# Altium PCB 2013_FDP_PCB.PcbDoc (part 1 of 2)
Units mil, origin at the board's own origin, x right, y up, seen from the top; angles counter-clockwise.
Board outline 2770 x 10236.22 mil, 4 copper layers (1-TOP, 2-GND, 3-SIGNAL, 4-BOT); 190 components, 185 nets, 812 pads, 235 vias.
Unrouted connection lines stored in the file: 2.
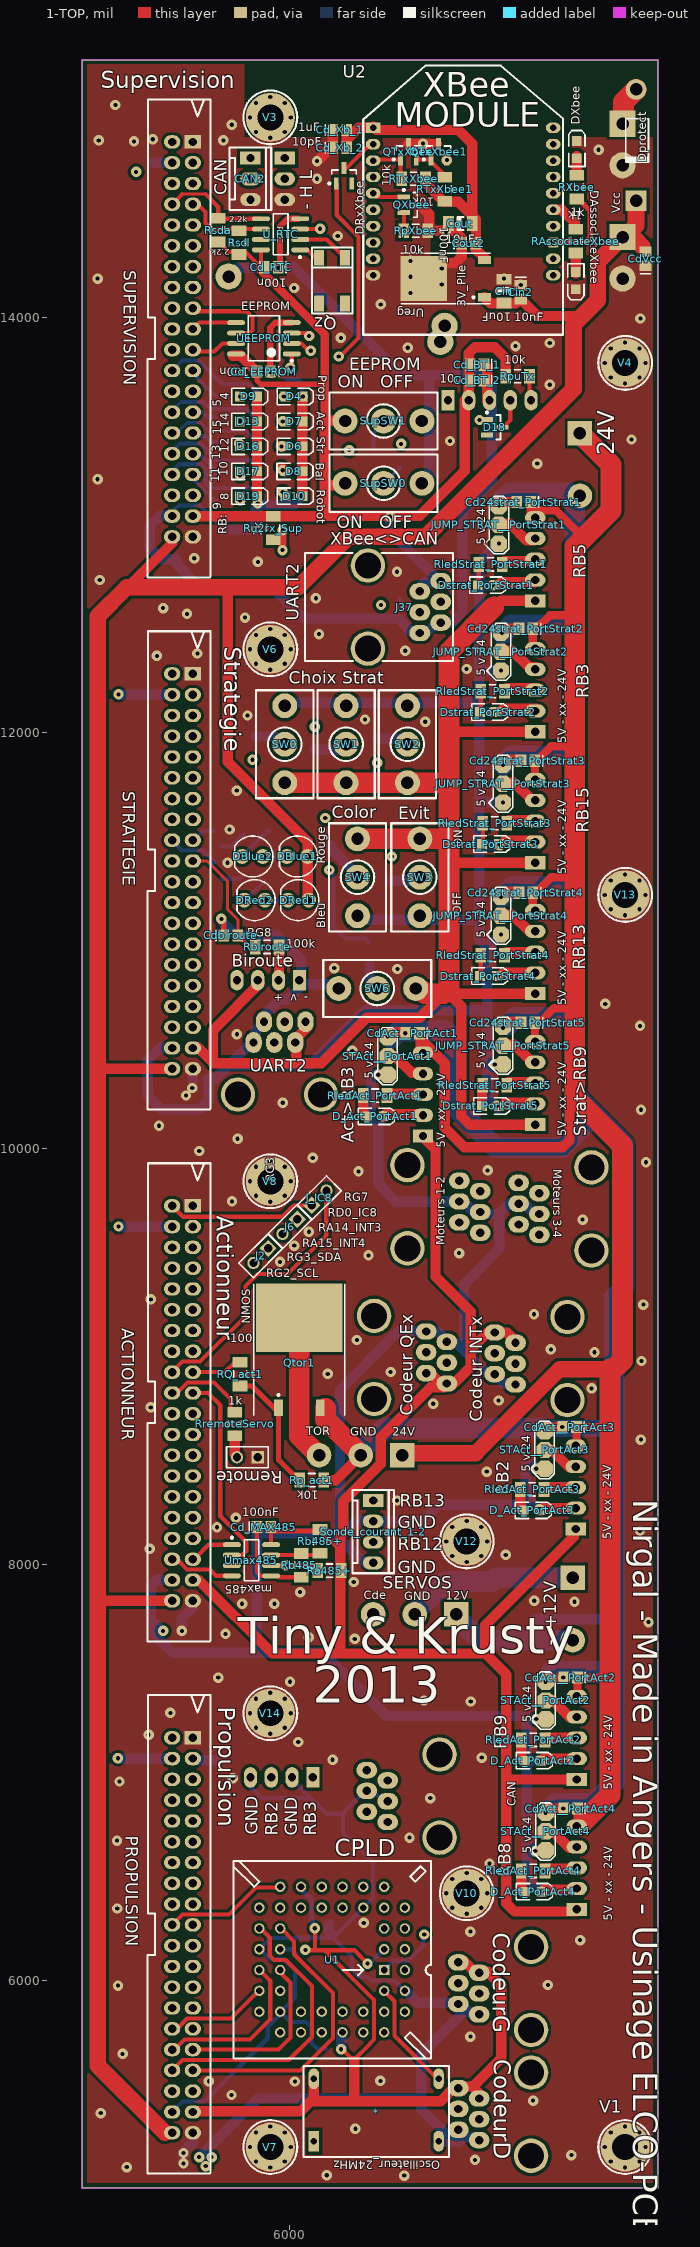
[diagram p0: 1-TOP view]
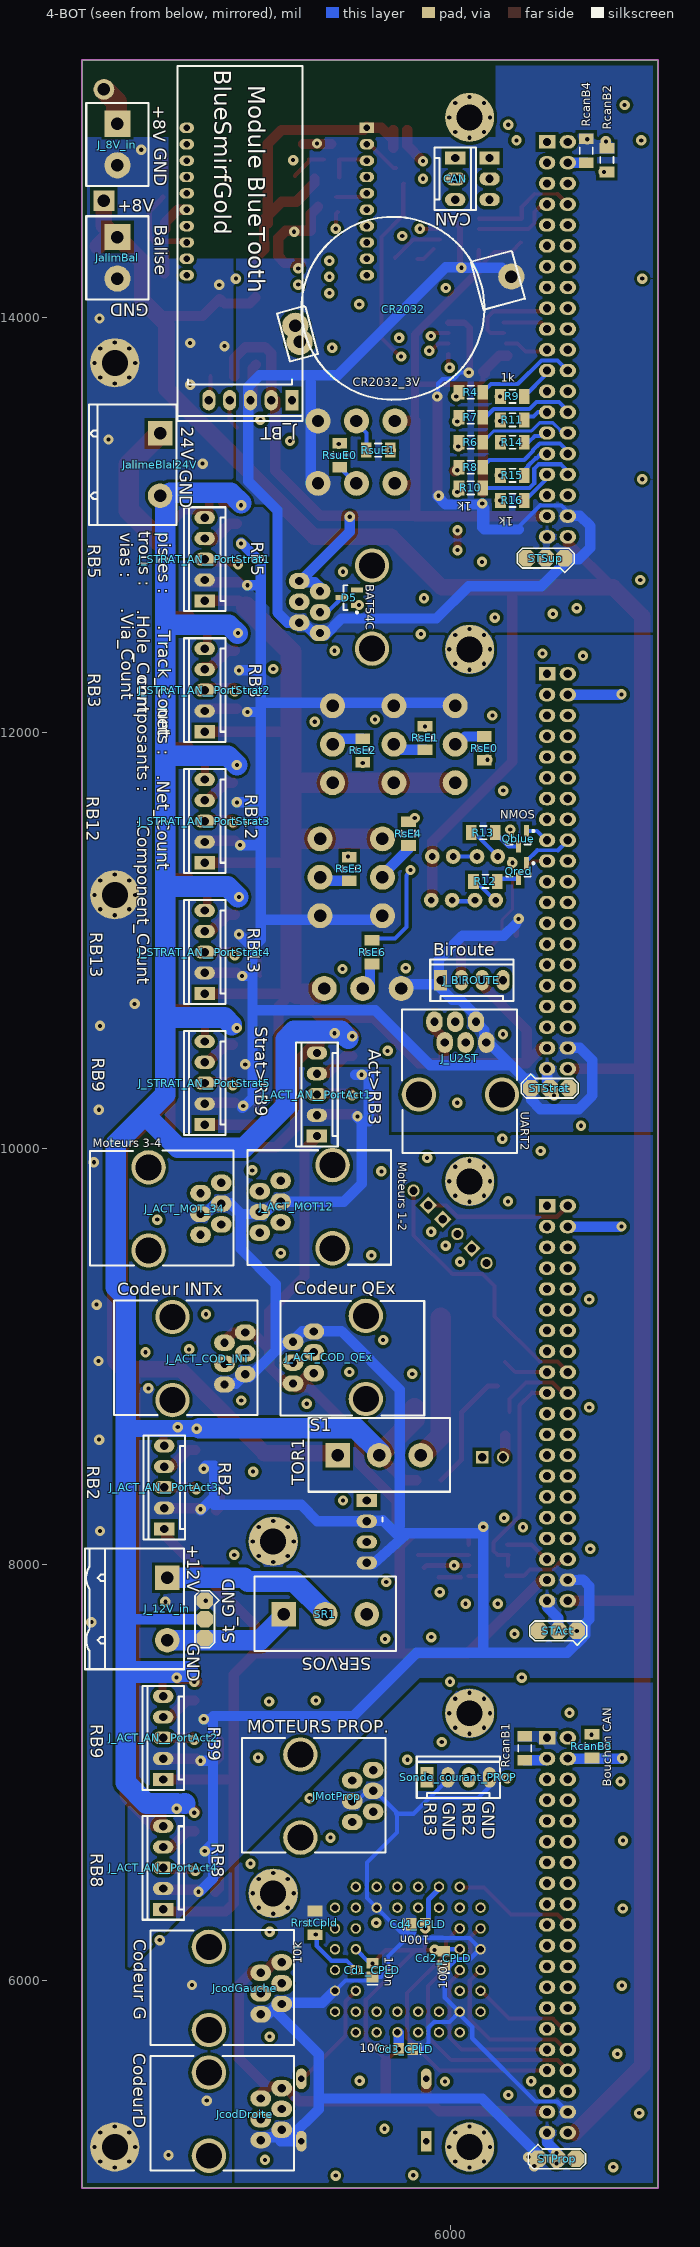
[diagram p1: 4-BOT view, seen from below]
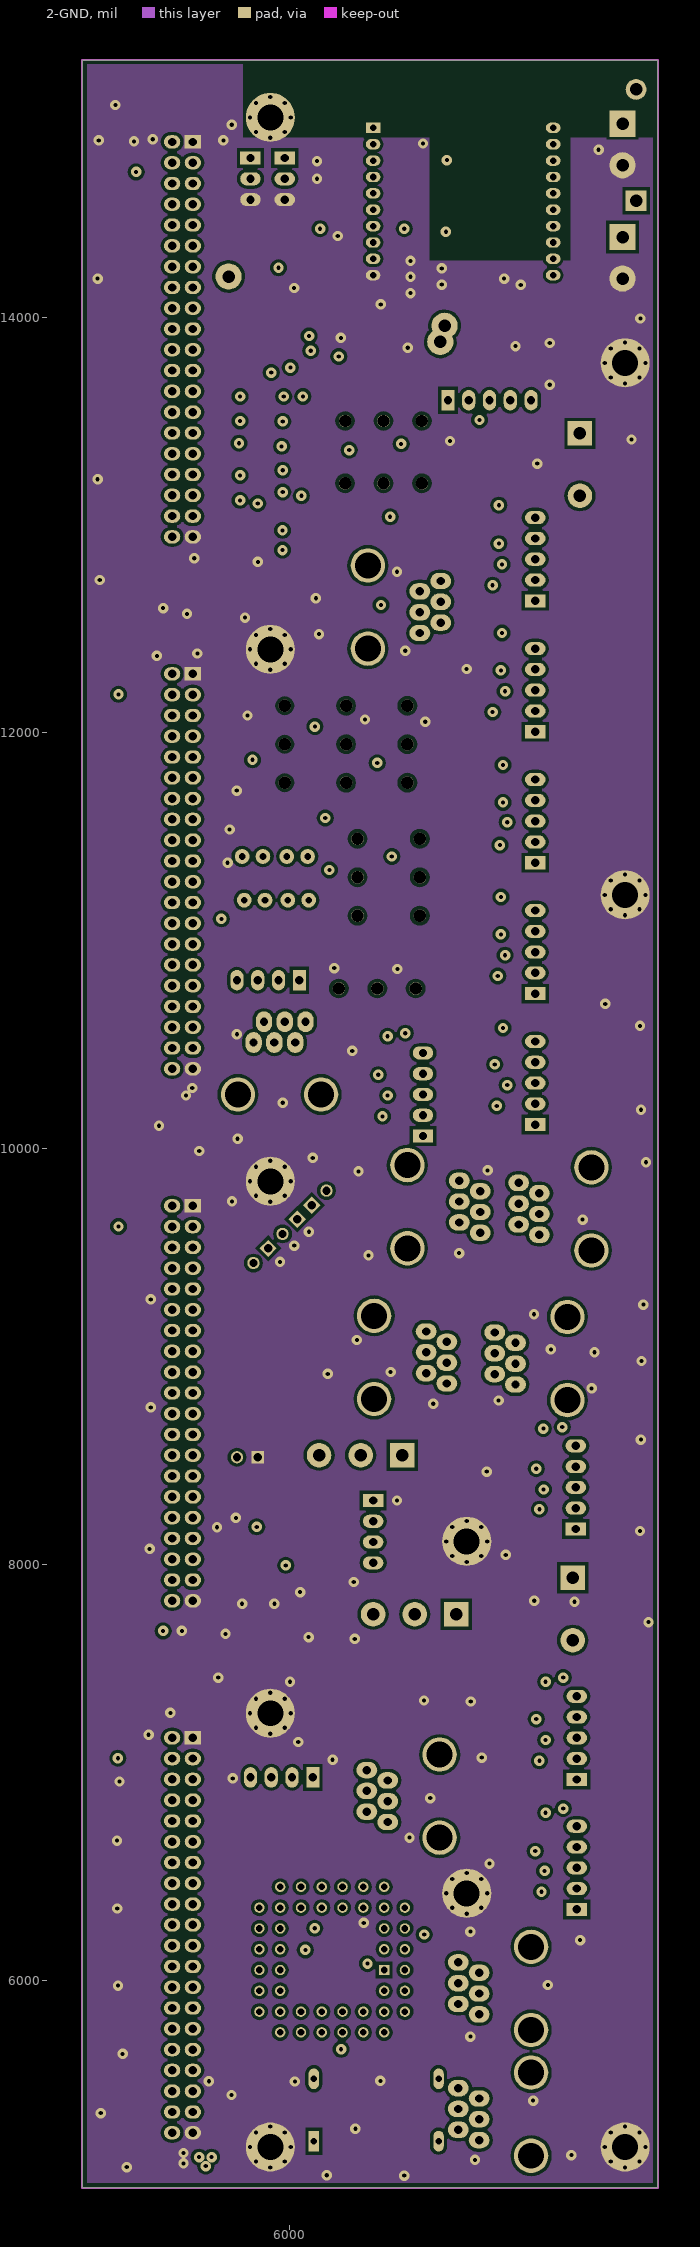
[diagram p2: 2-GND]
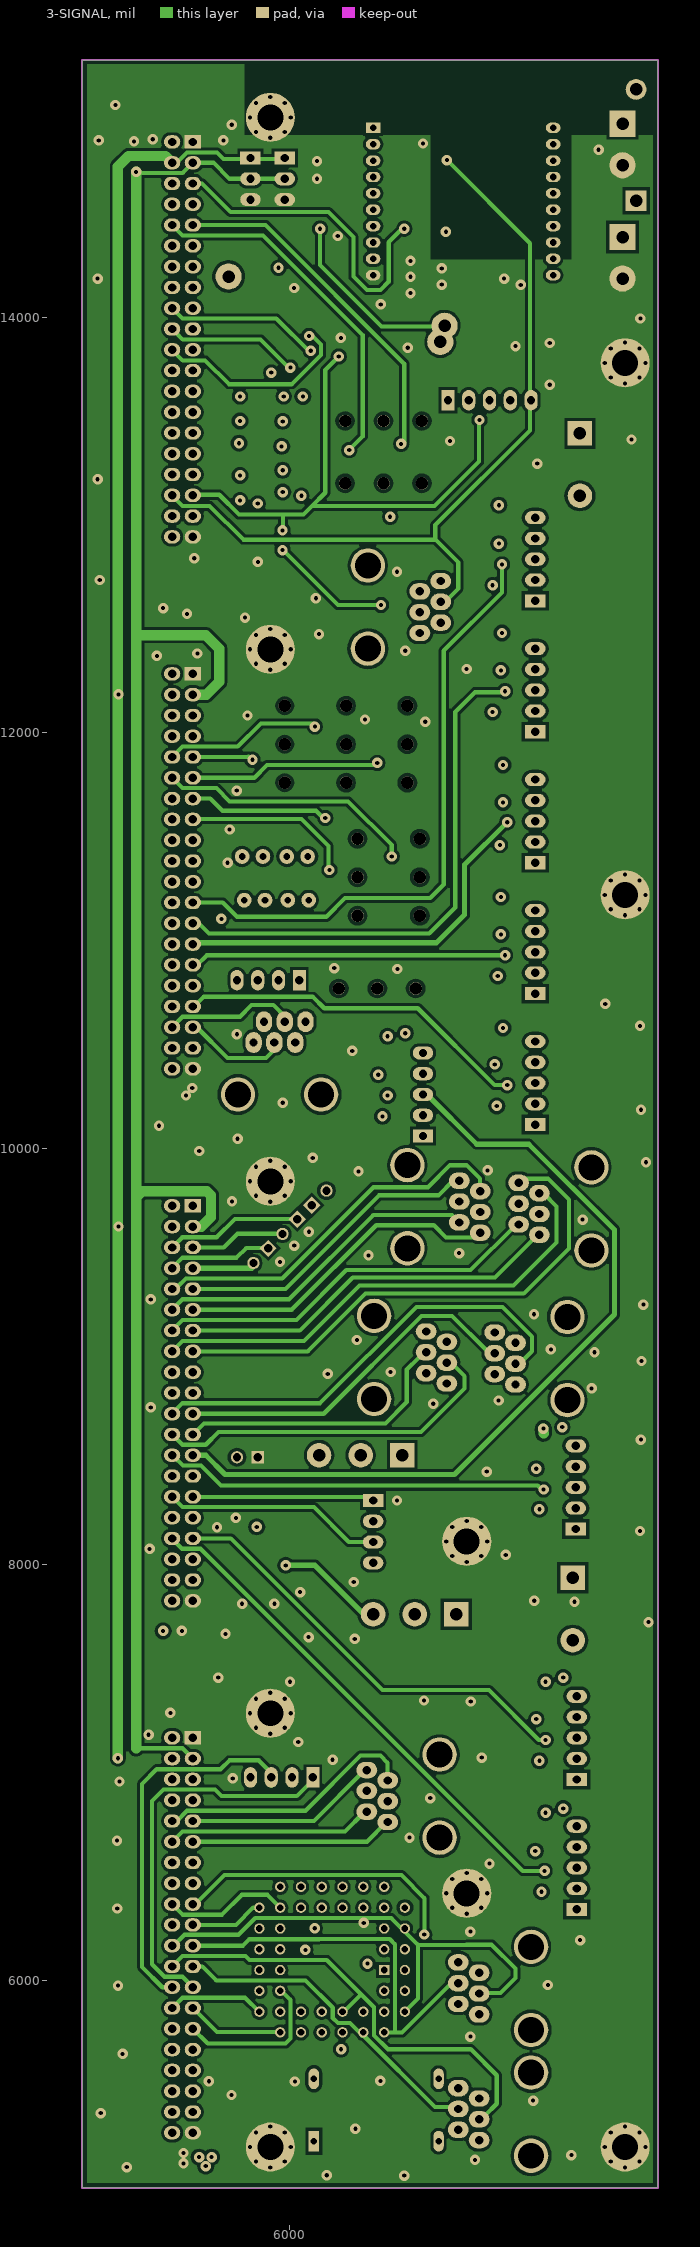
[diagram p3: 3-SIGNAL]
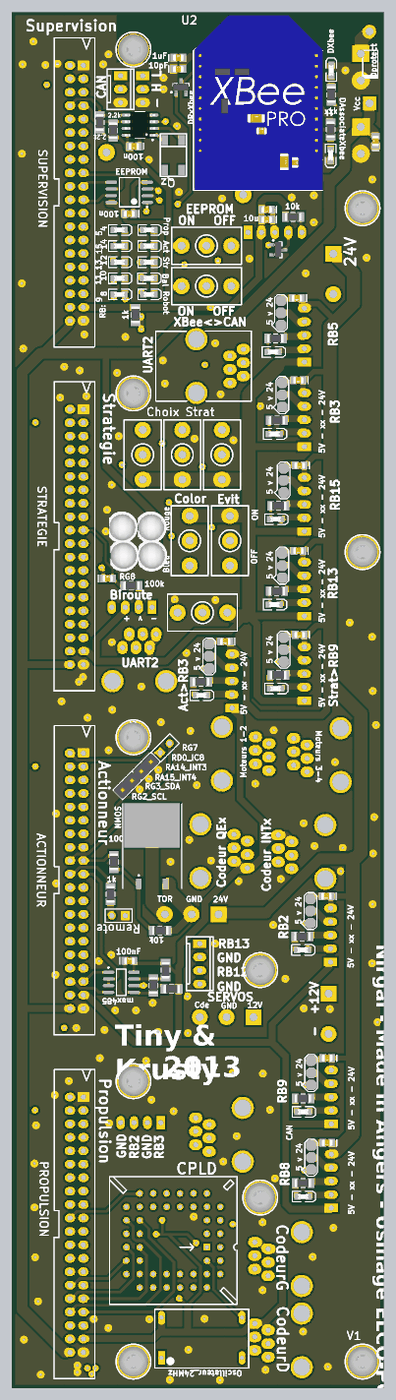
[diagram p5: 3D render of the assembled board from above, using the file's embedded part models]

## Layer stack, top to bottom
1-TOP: signal copper 1.4
Dielectric: core 12.6, FR-4, Dk 4.8
2-GND: signal copper 1.4
Dielectric: prepreg 12.6, FR-4, Dk 4.8
3-SIGNAL: signal copper 1.4
Dielectric: core 12.6, FR-4, Dk 4.8
4-BOT: signal copper 1.4

## Board outline
5000,5000 5000,15236.22 7770,15236.22 7770,5000

## Design rules (kind name [scope] priority, off if disabled: settings)
Clearance Clearance_1 [InNamedPolygon('2-GND') Or  InNamedPolygon('1-GND') Or  InNamedPolygon('4-GND_STRAT') Or  InNamedPolygon('3-GND') Or  InNamedPolygon('4-GND_SUP') Or  InNamedPolygon('4-GND_ACT') Or  InNamedPolygon('4-GND') Or  InNamedPolygon('4-GND_PROP')] p1: gap=15
Clearance [All] p2: gap=7
FabricationTestpoint [(IsPad And (OnTopLayer Or OnBottomLayer))] p1: side=3 testpointundercomponent=TRUE minsize=40 maxsize=100 preferedsize=60 minholesize=0 maxholesize=40 preferedholesize=32 testpointgrid=1 allowsidetop=TRUE allowsidebottom=TRUE usegrid=TRUE gridtolerance=0.01
HoleSize [All] p1: absolutevalues=TRUE maxlimit=200 minlimit=1 maxpercent=80.000 minpercent=20.000
PlaneConnect [All] p1: planeconnectstyle=Direct reliefexpansion=20 reliefentries=4 reliefconductorwidth=10 reliefairgap=10
PolygonConnect [All] p1: connectstyle=Direct reliefconductorwidth=10 reliefentries=4 polygonreliefangle="90 Angle"
RoomDefinition 2013_FDP_SCHEMA [InComponentClass('2013_FDP_SCHEMA')] p1: confinementstyle=ConfineIn formatcopy=TRUE lockcomponents=FALSE outline 0,0 2000,0 2000,1000 0,1000
RoomDefinition PortAct1 [InComponentClass('PortAct1')] p2: confinementstyle=ConfineIn formatcopy=FALSE lockcomponents=FALSE outline 6290,10005 6785,10005 6785,10605 6290,10605
RoomDefinition PortAct2 [InComponentClass('PortAct2')] p3: confinementstyle=ConfineIn formatcopy=TRUE lockcomponents=FALSE outline 7045,6905 7550,6905 7550,7505 7045,7505
RoomDefinition PortAct3 [InComponentClass('PortAct3')] p4: confinementstyle=ConfineIn formatcopy=TRUE lockcomponents=FALSE outline 7040,8110 7545,8110 7545,8710 7040,8710
RoomDefinition PortAct4 [InComponentClass('PortAct4')] p5: confinementstyle=ConfineIn formatcopy=TRUE lockcomponents=FALSE outline 7045,6275 7545,6275 7545,6875 7045,6875
RoomDefinition PortStrat1 [InComponentClass('PortStrat1')] p6: confinementstyle=ConfineIn formatcopy=FALSE lockcomponents=FALSE outline 7340,12555 6825,12555 6825,13160 7340,13160
RoomDefinition PortStrat2 [InComponentClass('PortStrat2')] p7: confinementstyle=ConfineIn formatcopy=TRUE lockcomponents=FALSE outline 7630,12125 7115,12125 7115,12730 7630,12730
RoomDefinition PortStrat3 [InComponentClass('PortStrat3')] p8: confinementstyle=ConfineIn formatcopy=TRUE lockcomponents=FALSE outline 7355,11310 6845,11310 6845,11915 7355,11915
RoomDefinition PortStrat4 [InComponentClass('PortStrat4')] p9: confinementstyle=ConfineIn formatcopy=TRUE lockcomponents=FALSE outline 7345,10675 6835,10675 6835,11280 7345,11280
RoomDefinition PortStrat5 [InComponentClass('PortStrat5')] p10: confinementstyle=ConfineIn formatcopy=TRUE lockcomponents=FALSE outline 7335,10050 6830,10050 6830,10655 7335,10655
RoutingVias [All] p1: holewidth=28 width=50 viastyle="Through Hole" minholewidth=28 minwidth=50 maxholewidth=28 maxwidth=50
SilkscreenOverComponentPads [All] p1: minsilkscreentomaskgap=10
SolderMaskExpansion [All] p1: expansion=4
Width [All] p1: maxlimit=200 minlimit=10 preferedwidth=15
24 further rules are at their usual default settings.

## Classes and differential pairs
channel class 2013_FDP_Generic_Port_Strat: PortStrat1 PortStrat2 PortStrat3 PortStrat4 PortStrat5
channel class 2013_FDP_Generic_Port_Act: PortAct1 PortAct2 PortAct3 PortAct4
net class ACT_IN_OUT[0..4]: ACT_IN_OUT0 ACT_IN_OUT1 ACT_IN_OUT2 ACT_IN_OUT3 ACT_IN_OUT4
component class 2013_FDP_SCHEMA: * ACTIONNEUR CAN CAN2 Cd1_CPLD Cd2_CPLD Cd3_CPLD Cd4_CPLD Cd_BT_1 Cd_BT_2 Cd_EEPROM Cd_MAX485 Cd_RTC Cd_Xb_1 Cd_Xb_2 Cdbiroute CdVcc Cin Cin2 Cout Cout2 CR2032 D4 D5 D6 D7 D8 D9 D10 D11 D12 D13 D14 D15 D16 D17 D18 D19 D? DAssociateXbee DBlue1 DBlue2 Dprotect DRed1 DRed2 DRxXbee DXbee J2 J3 J6 J15 J18 J19 J21 J24 J31 J37 J? J_8V_in J_12V_in J_ACT_COD_INT J_ACT_COD_QEx J_ACT_MOT12 J_ACT_MOT_34 J_BIROUTE J_BT J_IC8 J_U2ST JalimBal JalimeBlal24V JcodDroite JcodGauche JMotProp P3 P? PROPULSION Qblue Qred Qtor1 QTxXbee QTxXbee1 QXbee Qz R4 R5 R6 R7 R8 R9 R10 R11 R12 R13 R14 R15 R16 R? Ra485+ RAssociateXbee Rb485+ Rb485- Rbiroute RcanB1 RcanB2 RcanB3 RcanB4 RcanB? Remote Rp_act1 RpuTx RpXbee RQ_act1 RremoteServo RrstCpld Rscl Rsda RsE0 RsE1 RsE2 RsE3 RsE4 RsE6 RsuE0 RsuE1 RTxXbee RTxXbee1 Ru2rx_Sup RXbee S1 Sonde_courant_1-2 Sonde_courant_PROP SR1 ST4 ST? St_GND STAct STProp STRATEGIE STStrat STSup SUPERVISION SupSW0 SupSW1 SW0 SW1 SW2 SW3 SW4 SW6 TR1 U1 U2 U7 U_RTC UEEPROM Umax485 Ureg V1 V3 V4 V6 V7 V8 V10 V12 V13 V14
component class PortAct1: CdAct__PortAct1 D_Act_PortAct1 J_ACT_AN__PortAct1 RledAct_PortAct1 STAct__PortAct1
component class PortAct2: CdAct__PortAct2 D_Act_PortAct2 J_ACT_AN__PortAct2 RledAct_PortAct2 STAct__PortAct2
component class PortAct3: CdAct__PortAct3 D_Act_PortAct3 J_ACT_AN__PortAct3 RledAct_PortAct3 STAct__PortAct3
component class PortAct4: CdAct__PortAct4 D_Act_PortAct4 J_ACT_AN__PortAct4 RledAct_PortAct4 STAct__PortAct4
component class PortStrat1: Cd24strat_PortStrat1 Dstrat_PortStrat1 J_STRAT_AN__PortStrat1 JUMP_STRAT__PortStrat1 RledStrat_PortStrat1
component class PortStrat2: Cd24strat_PortStrat2 Dstrat_PortStrat2 J_STRAT_AN__PortStrat2 JUMP_STRAT__PortStrat2 RledStrat_PortStrat2
component class PortStrat3: Cd24strat_PortStrat3 Dstrat_PortStrat3 J_STRAT_AN__PortStrat3 JUMP_STRAT__PortStrat3 RledStrat_PortStrat3
component class PortStrat4: Cd24strat_PortStrat4 Dstrat_PortStrat4 J_STRAT_AN__PortStrat4 JUMP_STRAT__PortStrat4 RledStrat_PortStrat4
component class PortStrat5: Cd24strat_PortStrat5 Dstrat_PortStrat5 J_STRAT_AN__PortStrat5 JUMP_STRAT__PortStrat5 RledStrat_PortStrat5
net class STRAT_IN_OUT[1..5]: STRAT_IN_OUT1 STRAT_IN_OUT2 STRAT_IN_OUT3 STRAT_IN_OUT4 STRAT_IN_OUT5

## Components (designator, comment, footprint, x,y, rotation, side; value= is the part's Value field where it differs from the comment)
* "Oscillateur CPLD" DIL14_OSCILLATEUR 6115,5225 r90 top
ACTIONNEUR "ACTIONNEUR" HE10/40_MAL_DROIT-FDP-ROBOT 5433.07,9724.41 r270 top locked
CAN "BARRETTE3" HE14_3 5975,14765 r270 bottom
CAN2 "BARRETTE3" HE14_3 5810,14765 r270 top
Cd1_CPLD "Condensateur" C0805_N 6373.07,6048.15 r90 bottom
Cd2_CPLD "Condensateur" C0805_N 6030,6105 r90 bottom
Cd3_CPLD "Condensateur" C0805_N 6213.07,5668.15 r0 bottom
Cd4_CPLD "Condensateur" C0805_N 6153.07,6268.15 r180 bottom
Cd24strat_PortStrat1 "10nF" C0805_N 7125,13110 r180 top (schematic designator Cd24strat)
Cd24strat_PortStrat2 "10nF" C0805_N 7135,12500 r180 top (schematic designator Cd24strat)
Cd24strat_PortStrat3 "10nF" C0805_N 7145,11865 r180 top (schematic designator Cd24strat)
Cd24strat_PortStrat4 "10nF" C0805_N 7135,11230 r180 top (schematic designator Cd24strat)
Cd24strat_PortStrat5 "10nF" C0805_N 7145,10605 r180 top (schematic designator Cd24strat)
Cd_BT_1 "10uF" C0805_N 6900,13770 r180 top
Cd_BT_2 "100nF" C0805_N 6900,13695 r180 top
Cd_EEPROM "100nF" C0805_N 5875,13738.07 r180 top
Cd_MAX485 "100nF" C0805_N 5875,8179.41 r0 top
Cd_RTC "100nF" C0805_N 5910,14240 r180 top
Cd_Xb_1 "1uF" C0805_N 6240,14900 r0 top
Cd_Xb_2 "10pF" C0805_N 6240,14815 r0 top
CdAct__PortAct1 "10nF" C0805_N 6590,10555 r180 top (schematic designator CdAct_)
CdAct__PortAct2 "10nF" C0805_N 7350,7455 r180 top (schematic designator CdAct_)
CdAct__PortAct3 "10nF" C0805_N 7345,8660 r180 top (schematic designator CdAct_)
CdAct__PortAct4 "10nF" C0805_N 7350,6825 r180 top (schematic designator CdAct_)
Cdbiroute "Condensateur" C0805_N 5715,11025 r0 top
CdVcc "Condensateur" C0805_N 7710,14280 r90 top
Cin "10uF" C1206_N 7030,14125 r270 top
Cin2 "10nF" C0805_N 7110,14120 r270 top
Cout "10uF" C1206_N 6820,14450 r0 top
Cout2 "100nF" C0805_N 6860,14355 r0 top
CR2032 "battery" Pile_boutton 5705,14195 r345 bottom (schematic designator Batt1)
D4 "LED" LED_0805 6020,13618.07 r0 top
D5 "Diode Shottky double BAT54C" SOT23-3N 6485,12650 r0 bottom
D6 "LED" LED_0805 6020,13378.07 r0 top
D7 "LED" LED_0805 6020,13498.07 r0 top
D8 "LED" LED_0805 6018.66,13258.07 r0 top
D9 "LED" LED_0805 5800,13618.07 r0 top
D10 "LED" LED_0805 6020,13138.07 r0 top
D13 "LED" LED_0805 5800,13498.07 r0 top
D16 "LED" LED_0805 5800,13378.07 r0 top
D17 "LED" LED_0805 5800,13258.07 r0 top
D18 "Diode Shottky double BAT54C" SOT23-3N 6985,13470 r0 top
D19 "LED" LED_0805 5800,13138.07 r0 top
D_Act_PortAct1 "LED" LED_0805 6410,10155 r0 top (schematic designator D_Act)
D_Act_PortAct2 "LED" LED_0805 7170,7055 r0 top (schematic designator D_Act)
D_Act_PortAct3 "LED" LED_0805 7165,8260 r0 top (schematic designator D_Act)
D_Act_PortAct4 "LED" LED_0805 7170,6425 r0 top (schematic designator D_Act)
DAssociateXbee "LED Jaune" LED_0805 7375,14175 r270 top
DBlue1 "LED" LED_5mm 6035,11405 r90 top
DBlue2 "LED" LED_5mm 5820,11405 r90 top
Dprotect "Diode 1N4001" DIO10.46-5.3x2.8 7670,14850 r270 top
DRed1 "LED" LED_5mm 6040,11195 r90 top
DRed2 "LED" LED_5mm 5830,11195 r90 top
DRxXbee "Diode Shottky double BAT54C" SOT23-3N 6260,14680 r90 top
Dstrat_PortStrat1 "LED" LED_0805 6945,12710 r0 top (schematic designator Dstrat)
Dstrat_PortStrat2 "LED" LED_0805 6955,12100 r0 top (schematic designator Dstrat)
Dstrat_PortStrat3 "LED" LED_0805 6965,11465 r0 top (schematic designator Dstrat)
Dstrat_PortStrat4 "LED" LED_0805 6955,10830 r0 top (schematic designator Dstrat)
Dstrat_PortStrat5 "LED" LED_0805 6965,10205 r0 top (schematic designator Dstrat)
DXbee "LED Verte" LED_0805 7380,14805 r90 top
J2 "BARRETTE2" HDR1X2 5895,9520 r225 top
J6 "BARRETTE2" HDR1X2 6035,9660 r225 top
J37 "UART2 SUPERVISION" RJ11_6/6 6725,12530 r180 top
J_8V_in "8V" BORNIER2 7600,14930 r270 bottom
J_12V_in "0 - 12V" BORNIER2_FEM_COUDE 7360,7935 r270 bottom
J_ACT_AN__PortAct1 "ACT_AN" HE14_5 6640,10060 r90 bottom (schematic designator J_ACT_AN_)
J_ACT_AN__PortAct2 "ACT_AN" HE14_5 7380,6965 r90 bottom (schematic designator J_ACT_AN_)
J_ACT_AN__PortAct3 "ACT_AN" HE14_5 7375,8170 r90 bottom (schematic designator J_ACT_AN_)
J_ACT_AN__PortAct4 "ACT_AN" HE14_5 7380,6340 r90 bottom (schematic designator J_ACT_AN_)
J_ACT_COD_INT "CODEUR ACT IT" "RJ11_6/6 - droit" 6985,8915 r0 bottom
J_ACT_COD_QEx "CODEUR ACT QEx" "RJ11_6/6 - droit" 6755,9070 r180 bottom
J_ACT_MOT12 "MOTEUR 1-2" "RJ11_6/6 - droit" 6915,9795 r180 bottom
J_ACT_MOT_34 "MOTEUR 3-4" "RJ11_6/6 - droit" 7100,9635 r0 bottom
J_BIROUTE "BIROUTE" HE14_4 6045,10810 r180 bottom
J_BT "MHDR1X6" HE14_6 6760,13600 r0 bottom
J_IC8 "BARRETTE2" HDR1X2 6105,9727 r45 top
J_STRAT_AN__PortStrat1 "STRAT_AN" HE14_5 7180,12635 r90 bottom (schematic designator J_STRAT_AN_)
J_STRAT_AN__PortStrat2 "STRAT_AN" HE14_5 7180,12005 r90 bottom (schematic designator J_STRAT_AN_)
J_STRAT_AN__PortStrat3 "STRAT_AN" HE14_5 7180,11375 r90 bottom (schematic designator J_STRAT_AN_)
J_STRAT_AN__PortStrat4 "STRAT_AN" HE14_5 7180,10745 r90 bottom (schematic designator J_STRAT_AN_)
J_STRAT_AN__PortStrat5 "STRAT_AN" HE14_5 7180,10115 r90 bottom (schematic designator J_STRAT_AN_)
J_U2ST "UART2 STRATEGIE" "RJ11_6/6 - droit" 5875,10610 r270 bottom
JalimBal "8V BALISE 2" BORNIER2 7600,14385 r270 bottom
JalimeBlal24V "24V_in" BORNIER2_FEM_COUDE 7395,13440 r270 bottom
JcodDroite "CODEUR2" "RJ11_6/6 - droit" 6810,5280 r0 bottom
JcodGauche "CODEUR1" "RJ11_6/6 - droit" 6810,5885 r0 bottom
JMotProp "PROPULSION" "RJ11_6/6 - droit" 6370,6810 r0 bottom
JUMP_STRAT__PortStrat1 "Goutte Strap_3" "Goutte Strap_3" 7005,12910 r90 top (schematic designator JUMP_STRAT_)
JUMP_STRAT__PortStrat2 "Goutte Strap_3" "Goutte Strap_3" 7015,12300 r90 top (schematic designator JUMP_STRAT_)
JUMP_STRAT__PortStrat3 "Goutte Strap_3" "Goutte Strap_3" 7025,11665 r90 top (schematic designator JUMP_STRAT_)
JUMP_STRAT__PortStrat4 "Goutte Strap_3" "Goutte Strap_3" 7015,11030 r90 top (schematic designator JUMP_STRAT_)
JUMP_STRAT__PortStrat5 "Goutte Strap_3" "Goutte Strap_3" 7025,10405 r90 top (schematic designator JUMP_STRAT_)
PROPULSION "PROPULSION" HE10/40_MAL_DROIT-FDP-ROBOT 5433.07,7165.35 r270 top locked
Qblue "Transistor MOSFET-N" SOT23-3N 5670,11490 r270 bottom
Qred "Transistor MOSFET-N" SOT23-3N 5670,11335 r270 bottom
Qtor1 "AUIRF1018ES" D2PAK 6045,8970 r0 top
QTxXbee "Transistor MOSFET-N" SOT23-3N 6570,14795 r90 top
QTxXbee1 "Transistor MOSFET-N" SOT23-3N 6715,14795 r90 top
QXbee "Transistor MOSFET-N" SOT23-3N 6585,14540 r0 top
Qz "Quartz_ABS25" Quartz_ABS25 6140,14285 r270 top
R4 "1K" R1206_N 5900,13638.07 r0 bottom
R6 "1K" R1206_N 5900,13398.07 r0 bottom
R7 "1K" R1206_N 5900,13518.07 r0 bottom
R8 "1K" R1206_N 5900,13278.07 r0 bottom
R9 "1K" R1206_N 5700,13618.07 r0 bottom
R10 "1K" R1206_N 5900,13178.07 r0 bottom
R11 "1K" R1206_N 5700,13505 r0 bottom
R12 "100" R1206_N 5830,11285 r0 bottom
R13 "100" R1206_N 5840,11520 r0 bottom
R14 "1K" R1206_N 5700,13398.07 r0 bottom
R15 "1K" R1206_N 5700,13238.07 r0 bottom
R16 "1K" R1206_N 5700,13118.07 r0 bottom
Ra485+ "10k" R1206_N 6190,7970 r0 top
RAssociateXbee "1k" R1206_N 7375,14365 r270 top
Rb485+ "10k" R1206_N 6145,8110 r270 top
Rb485- "10k" R1206_N 6055,7995 r90 top
Rbiroute "100k" R1206_N 5890,10970 r0 top
RcanB1 "60" R1206_N 5640,7115 r270 bottom
RcanB2 "60" R1206_N 5245,14755 r270 bottom
RcanB3 "60" R1206_N 5317.07,7125 r90 bottom
RcanB4 "60" R1206_N 5345,14800 r90 bottom
Remote "BARRETTE2" HDR1X2 5845,8515 r180 top
RledAct_PortAct1 "1K" R1206_N 6410,10255 r180 top (schematic designator RledAct)
RledAct_PortAct2 "1K" R1206_N 7170,7155 r180 top (schematic designator RledAct)
RledAct_PortAct3 "1K" R1206_N 7165,8360 r180 top (schematic designator RledAct)
RledAct_PortAct4 "1K" R1206_N 7170,6525 r180 top (schematic designator RledAct)
RledStrat_PortStrat1 "1K" R1206_N 6965,12810 r180 top (schematic designator RledStrat)
RledStrat_PortStrat2 "1K" R1206_N 6975,12200 r180 top (schematic designator RledStrat)
RledStrat_PortStrat3 "1K" R1206_N 6985,11565 r180 top (schematic designator RledStrat)
RledStrat_PortStrat4 "1K" R1206_N 6975,10930 r180 top (schematic designator RledStrat)
RledStrat_PortStrat5 "1K" R1206_N 6985,10305 r180 top (schematic designator RledStrat)
Rp_act1 "10k" R1206_N 6105,8405 r0 top
RpuTx "10k" R1206_N 7095,13715 r0 top
RpXbee "10k" R1206_N 6605,14415 r0 top
RQ_act1 "100" R1206_N 5760,8915 r90 top
RremoteServo "1k" R1206_N 5735,8675 r270 top
RrstCpld "10K" R1206_N 6650,6275 r270 bottom
Rscl "2.2k" R1206_N 5755,14358.07 r270 top
Rsda "2.2k" R1206_N 5655,14418.07 r270 top
RsE0 "1k" R1206_N 5835,11925 r90 bottom
RsE1 "1k" R1206_N 6120,11975 r270 bottom
RsE2 "1k" R1206_N 6420,11915 r90 bottom
RsE3 "1k" R1206_N 6485,11345 r270 bottom
RsE4 "1k" R1206_N 6200,11515 r270 bottom
RsE6 "1k" R1206_N 6375,10945 r270 bottom
RsuE0 "1k" R1206_N 6530,13335 r270 bottom
RsuE1 "1k" R1206_N 6345,13360 r0 bottom
RTxXbee "10k" R1206_N 6595,14665 r180 top
RTxXbee1 "10k" R1206_N 6745,14615 r90 top
Ru2rx_Sup "1K" R1206_N 5920,12985 r90 top
RXbee "1k" R1206_N 7380,14625 r90 top
S1 "TOR1" BORNIER3_FEM_COUDE 6540,8525 r180 bottom
Sonde_courant_1-2 "BARRETTE4" HE14_4 6400,8307 r270 top
Sonde_courant_PROP "BARRETTE4" HE14_4 6110,6975 r180 bottom